# Allegro board AB9.brd (continued)
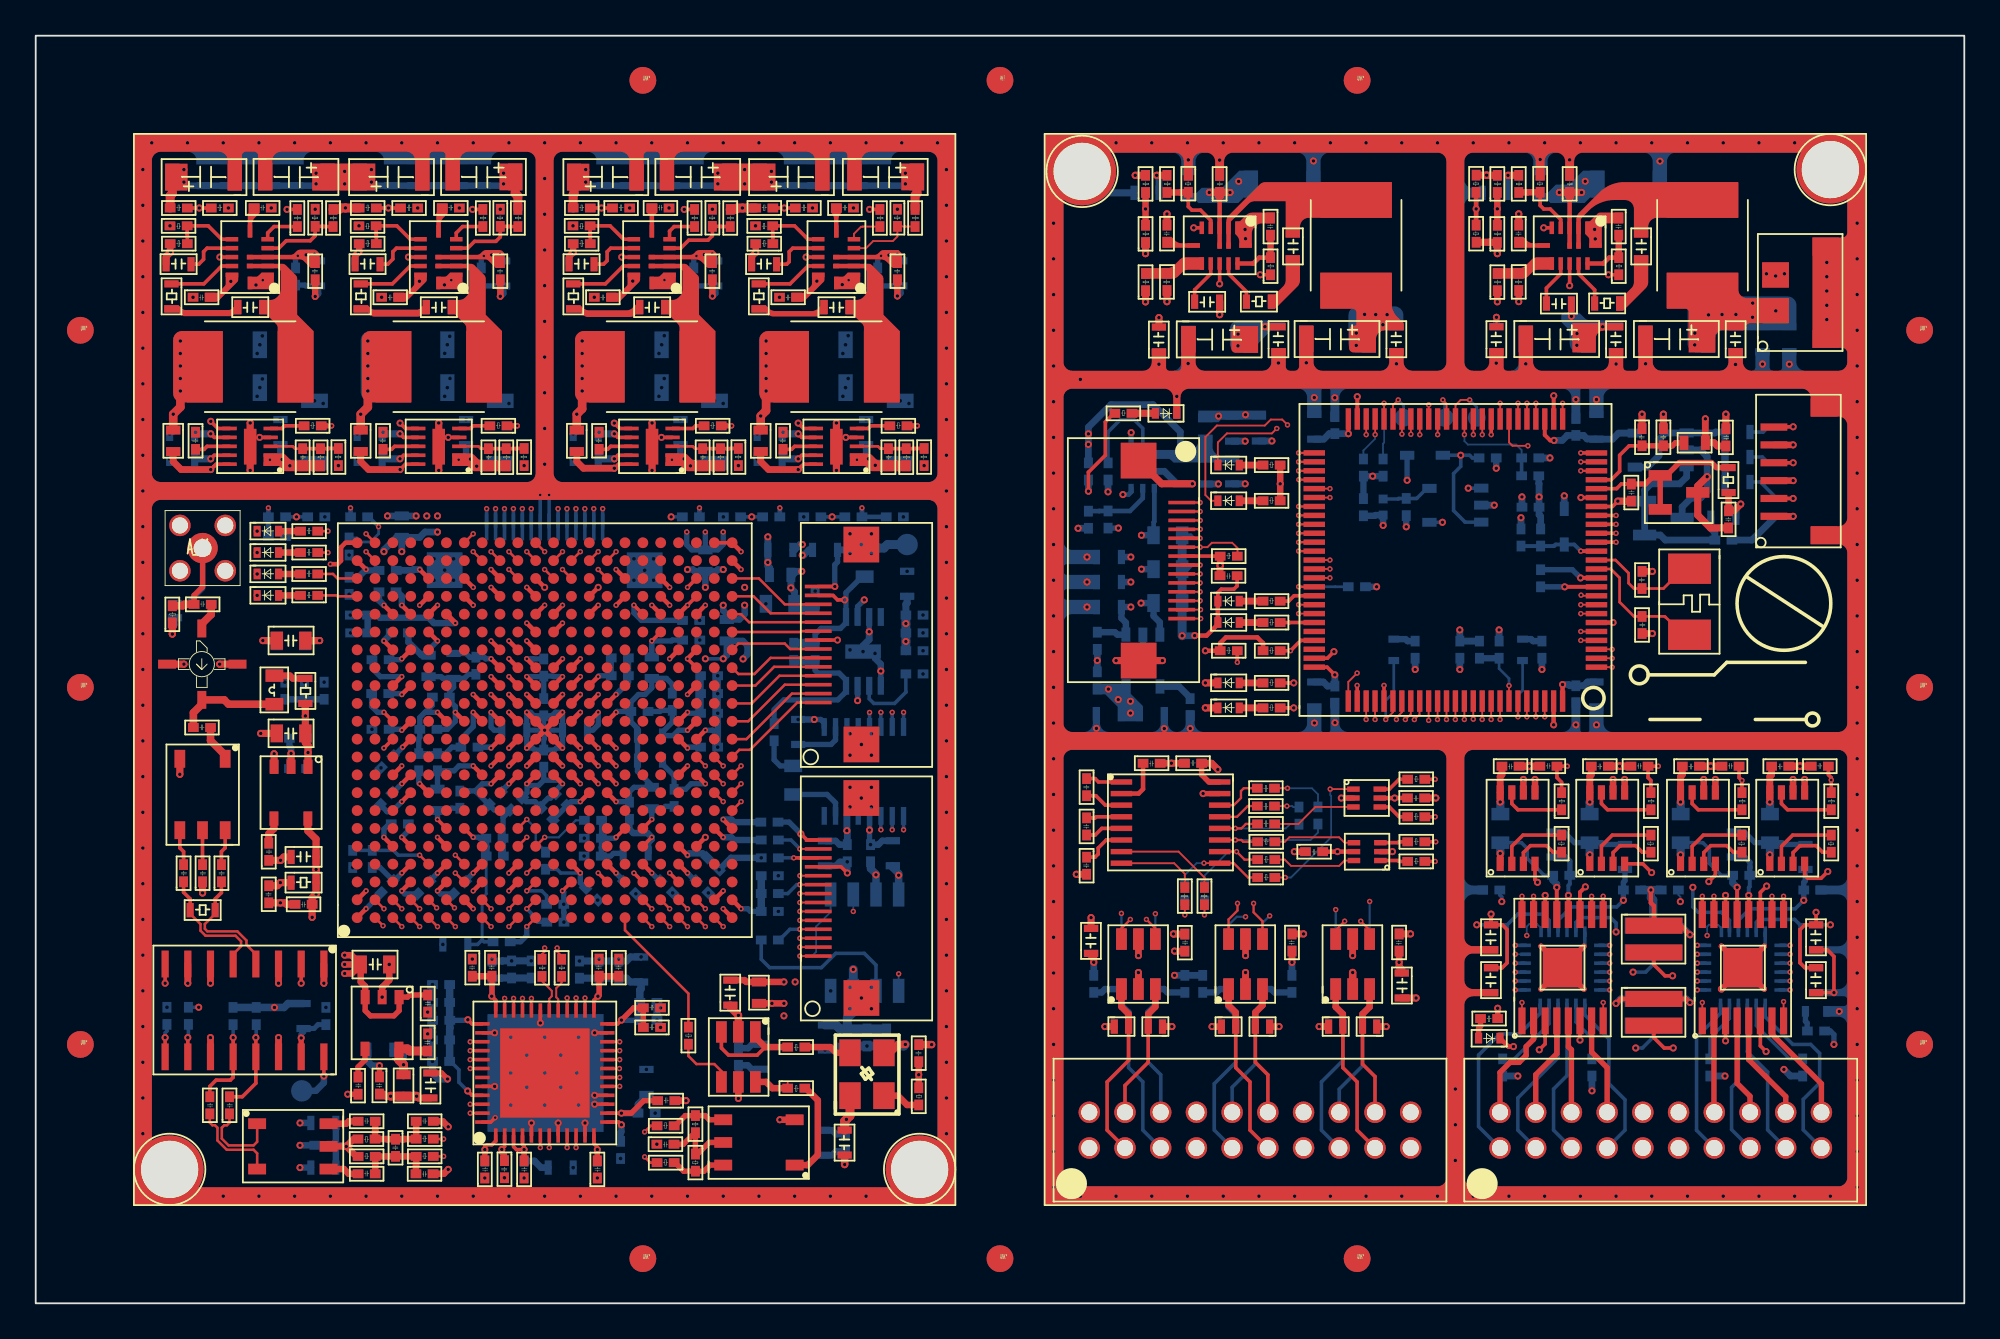
[diagram p0: board, top side]
## Routing (per net, layer and track width the routed paths; a pad name or vN(x,y) marks a point on that pad's centre or on a via; arc(x,y) is an arc through that point) (continued)
  BOTTOM w0.3: A_C248.2 v2(25.15,8.61) ; A_C247.2 v2(27.35,8.61) ; A_C246.2 v2(31.45,8.61)
  BOTTOM w0.36: A_C243.2 32.75,9.55 32.8,9.6 v2(32.8,10) ; A_C238.2 v2(32.8,10.65)
  BOTTOM w0.38: A_C247.2 27.93,7.97 28.3,7.6 A_C244.2 ; A_C238.2 33.73,11.15 34.2,11.62 A_C237.2
A_AIN+: length 8.3
  TOP w0.14: A_R62.1 22.7,9.2 v1(22.84,9.2) ; v1(28.26,8.72) A_U14.6
  SIGNAL-L3 w0.14: v1(28.26,8.72) 28.26,8.52 28.4,8.38 28.4,8 28.2,7.8 24.6,7.8 23.56,8.84 23.2,8.84 v1(22.84,9.2)
A_AIN-: length 8.7
  TOP w0.14: v1(28.76,8.72) A_U14.7 ; A_R64.1 22.7,8.23 22.7,8.23 v1(22.84,8.23)
  SIGNAL-L3 w0.14: v1(22.84,8.23) 23.2,8.59 23.46,8.59 24.5,7.55 28.3,7.55 28.65,7.9 28.65,8.38 28.76,8.49 v1(28.76,8.72)
A_ASDO: length 30.3
  TOP w0.1: 43.82,19.45 v1(42.79,19.45)
  TOP w0.14: v1(21.5,21.1) A_U9.D1
  SIGNAL-L7 w0.14: v1(21.5,21.1) 21.5,19.9 23.5,17.9 31.1,17.9 31.5,18.3 41,18.3 42.15,19.45 v1(42.79,19.45)
  BOTTOM w0.1: v1(42.79,19.45) 43.47,19.45 43.7,19.68 43.7,21.1 44.52,21.91 A_U17.5
A_AUDIO_5V: length 35.9
  PWR-L6 w0.3: 42.96,39.4 45.42,36.94 45.42,34.36 ; 42.96,39.4 v2(42.29,40.07) 42.29,40.39 v2(42.9,41) ; 42.96,39.4 v2(46.4,39.4) 47.4,39.4 v2(48.73,38.07) v2(48.73,37.07) ; v2(45.42,26.47) 45.42,34.36 ; 45.42,34.36 v2(46.03,33.76)
  BOTTOM w0.3: v2(46.4,39.4) 46.03,39.03 A_U15.6 ; A_U15.3 v2(46.03,33.76)
  BOTTOM w0.36: A_C196.1 45.01,25.69 44.8,25.9 A_C197.2
  BOTTOM w0.38: A_C196.1 45.45,26.45 v2(45.42,26.47) A_U16.6 ; v2(42.9,41) 42.6,41 42.4,40.8 A_L14.2 v2(42.29,40.07) 42.29,40.06 42.49,39.86 A_C137.2
  BOTTOM w0.4: A_C133.1 48.8,39.22 48.73,39.15 A_C138.2
  BOTTOM w0.5: A_C136.2 42.74,38.93 A_C137.2 ; A_C138.2 v2(48.73,38.07) A_C141.2 v2(48.73,37.07) A_C146.2
A_AUDIO_OUT: length 7.1
  TOP w0.2: A_J2.14 v2(44.75,40.15)
  BOTTOM w0.3: v2(44.75,40.15) 44.75,41.37 44.9,41.52 A_R76.2
  BOTTOM w0.38: A_R76.2 45.59,42.2 45.69,42.3 A_C131.2
  BOTTOM w0.5: A_C131.2 47.5,42.3 47.7,42.5 A_TP3.1
A_CLK2FPGA: length 7.6
  TOP w0.14: A_R55.2 36.55,17.35 33,20.9 A_U9.T1
A_CLK_3V3: length 29.7
  TOP w0.36: A_L10.2 v2(41.23,16.8) v2(41.9,16.8) ; A_R58.2 v2(49.45,12.8) A_C58.2 ; A_U13.5 v2(39.35,11.47)
  TOP w0.5: A_C67.2 45.3,10.2 v2(45.4,10.3) 45.6,10.5 A_Y1.4
  PWR-L6 w0.36: v2(49.45,12.8) 46.7,12.8 45.37,11.47 44.23,11.47 ; 41.4,11.47 41.9,11.97 v2(41.9,16.1) v2(41.9,16.8) v2(41.23,16.8) ; 41.4,11.47 v2(39.35,11.47) ; 41.4,11.47 44.23,11.47 ; 44.23,11.47 v2(45.4,10.3)
  BOTTOM w0.36: v2(39.35,11.47) A_C235.2 39.88,13.33 40.1,13.11 A_C234.2 ; A_C241.2 44.6,9.69 44.82,9.47 A_C240.2 45.35,10.25 v2(45.4,10.3)
A_CLKO+: length 2.2
  TOP w0.109: A_R53.1 28.35,18.05 28.9,17.5 28.9,17.2 28.76,17.06 A_U14.30
A_CLKO-: length 2.1
  TOP w0.109: A_U14.29 29.26,17.03 29.15,17.14 29.15,17.65 29.45,17.95 A_R54.1
A_CONF_DONE: length 28.1
  TOP w0.1: 43.82,25.45 v1(42.79,25.45)
  TOP w0.25: v1(29.5,39.1) A_U9.M18
  SIGNAL-L4 w0.14: v1(42.79,25.45) 41.75,25.45 40.4,26.8 40.4,37.1 39.2,38.3 30.3,38.3 v1(29.5,39.1)
  BOTTOM w0.2: A_R80.1 42.29,25.95 v1(42.79,25.45)
A_DATA0: length 21.5
  TOP w0.1: 43.82,20.95 v1(42.79,20.95)
  TOP w0.14: A_U9.K1 v1(26.5,21.1)
  SIGNAL-L4 w0.14: v1(26.5,21.1) 26.5,20.3 27.6,19.2 39.9,19.2 41.65,20.95 v1(42.79,20.95)
  BOTTOM w0.2: A_R86.1 41.64,20.35 42.24,20.95 v1(42.79,20.95)
A_DCLK: length 27.6
  TOP w0.1: 43.82,20.45 v1(42.79,20.45)
  TOP w0.14: A_U9.K2 v1(26.5,22.1)
  SIGNAL-L7 w0.14: v1(45.78,21.95) 45.78,21.09 45.15,20.45 v1(42.79,20.45) 41.85,20.45 40.6,19.2 31.5,19.2 30.9,18.6 26.8,18.6 26,19.4 26,21.6 v1(26.5,22.1)
  BOTTOM w0.1: 45.78,22.9 v1(45.78,21.95)
A_ENC+: length 7.7
  TOP w0.14: v1(34.1,8.2) 34.42,7.88 A_R65.2 ; A_U14.9 v1(29.76,8.72)
  SIGNAL-L7 w0.14: v1(34.1,8.2) 33.45,8.85 33.1,8.85 31.7,7.45 30.17,7.45 29.89,7.74 29.89,8.29 29.76,8.42 v1(29.76,8.72)
A_ENC-: length 7.3
  TOP w0.14: v1(34.1,9.6) 34.44,9.94 A_R60.2 ; A_U14.10 v1(30.26,8.72)
  SIGNAL-L7 w0.14: v1(34.1,9.6) 33.6,9.1 33,9.1 31.6,7.7 30.27,7.7 30.13,7.84 30.13,8.29 30.26,8.42 v1(30.26,8.72)
A_FPGA_RST_ARM: length 5.5
  TOP w0.14: A_J2.4 41.65,35.15 40.1,33.6 A_U9.AB13
A_FPGA_RST_MCU: length 5.3
  TOP w0.14: A_U9.AB14 40.3,34.6 41.35,35.65 A_J2.5
A_FPGA_SPI_CS: length 5.4
  TOP w0.14: A_J2.12 41.95,39.15 40.5,40.6 A_U9.AB20
A_FPGA_SPI_MISO: length 5
  TOP w0.14: A_U9.AB18 39.5,38.6 39.95,38.15 A_J2.10
A_FPGA_SPI_MOSI: length 4.8
  TOP w0.14: A_J2.9 42.87,37.65 42.83,37.6 A_U9.AB17
A_FPGA_SPI_SCLK: length 5.2
  TOP w0.14: A_J2.11 41.15,38.65 40.2,39.6 A_U9.AB19
A_FPGA_UART2_RXD: length 5.3
  TOP w0.14: A_J2.6 41.15,36.15 40.25,35.25 39.35,35.25 A_U9.AB15
A_FPGA_UART2_TXD: length 5.1
  TOP w0.14: A_U9.AB16 39.35,36.95 41.95,36.95 42.25,36.65 A_J2.7
A_FPGA_UART_RXD: length 5.9
  TOP w0.14: A_J2.2 42.35,34.15 39.8,31.6 A_U9.AB11
A_FPGA_UART_TXD: length 6.1
  TOP w0.14: A_J2.1 42.65,33.65 40,31 39.4,31 A_U9.AB10
A_GND: length 234.9
  TOP w0.2: A_U9.C11 v1(19.5,31.1) ; A_U9.U5 v1(34.5,26.1) ; 43.82,24.45 45.1,24.45 v2(45.45,24.1) ; A_U9.Y15 v1(36.5,36.1) ; A_U9.R3 v1(31.5,24.1) ; A_U14.44 v2(25.7,12.15) ; A_U8.4 v2(45.37,48.5) ; A_U7.4 v2(35.04,48.5) ; A_U9.Y20 v1(36.5,40.1) ; A_U9.N3 v1(29.5,23.1) ; A_U14.31 v2(28.26,15.7) ; A_U14.5 v2(27.76,10.1) ; A_U9.AA22 A_U9.AB22 ; A_U6.4 v2(23.1,48.5) ; v1(25.73,10.4) 25.48,10.15 A_U14.48 ; A_U14.38 v2(25.7,15.15) ; A_U5.4 v2(12.54,48.5) ; A_U14.23 v2(31.3,15.15) ; A_J2.13 44.65,39.65 44.9,39.4 v3(45.3,39.4) ; A_U9.C12 v1(19.5,33.1) ; A_U9.W3 v1(35.5,24.1) ; A_J2.8 v3(44.9,37.15) ; A_U14.8 v2(29.26,10.1) ; A_U14.15 v2(31.3,11.15) ; A_U14.11 v2(30.76,10.1) ; A_U14.16 v2(31.3,11.65) ; A_U9.U3 v1(33.5,24.1)
  TOP w0.25: A_U9.Y12 v1(36.5,32.1) ; A_U9.V18 v1(34.5,39.1) ; v1(24.5,34.1) A_U9.H13 ; A_U9.P8 v1(30.5,28.1) ; v1(30.5,36.1) A_U9.N15 ; v1(19.5,26.1) A_U9.C5 ; A_U9.J15 v1(25.5,36.1) ; v1(26.5,23.1) A_U9.K3 ; v1(24.5,22.1) A_U9.G2 ; A_U9.F3 v1(22.5,23.1) ; A_U9.L15 v1(27.5,36.1) ; v1(20.5,35.1) A_U9.C14 ; v1(20.5,23.1) A_U9.D3 ; v1(38.5,27.1) A_U9.AB6 ; v1(32.5,34.1) A_U9.R13 ; A_U9.H3 v1(24.5,23.1) ; v1(22.5,33.1) A_U9.F12 ; v1(26.5,37.1) A_U9.K16 ; A_U9.C16 v1(19.5,37.1) ; v3(31.5,40.1) A_U9.P19 ; A_U9.Y9 v1(37.5,29.1) ; v3(28.5,40.1) A_U9.L20 ; A_U9.AA2 v1(38.5,23.1) ; A_U9.H12 v1(24.5,33.1) ; A_U9.AB22 v1(39.5,42.1) ; v1(24.5,40.1) A_U9.G20 ; v1(20.5,28.1) A_U9.D8 ; A_U9.A22 17.35,42.6 17.1,42.35 17.1,41.6 16.9,41.4 v1(16.5,41.4) ; A_U9.E20 v1(21.5,41.1) ; v3(37.5,26.1) A_U9.Y5 ; v1(22.5,26.1) A_U9.F5 ; v1(22.5,39.1) A_U9.E18 ; v1(32.5,31.1) A_U9.R11 ; v1(19.5,39.1) A_U9.C18 ; A_U9.T20 v1(32.5,41.1) ; v1(32.5,29.1) A_U9.R9 ; v1(20.5,30.1) A_U9.C9 ; v1(37.5,39.1) A_U9.Y18 ; A_U9.V20 v1(35.5,40.1) ; A_U9.AB1 v1(38.5,22.1) ; v1(37.5,32.1) A_U9.Y11 ; A_U9.J19 v1(25.5,40.1) ; v1(25.5,29.1) A_U9.J9 ; v1(18.5,22.1) A_U9.A1 ; v1(36.5,36.1) A_U9.Y16
  TOP w0.3: A_U9.K10 v1(26.5,30.1) ; A_U9.N13 v1(30.5,34.1) ; v1(30.5,33.1) A_U9.N12 ; v1(30.5,30.1) A_U9.N10 ; A_C61.1 22.73,12.9 v2(23.06,12.56) ; A_U9.N11 v1(30.5,31.1) ; v2(28.5,32.1) A_U9.M11 v1(29.5,31.1) ; v2(28.5,32.1) A_U9.L11 v1(27.5,31.1) ; v2(28.5,32.1) A_U9.L12 v1(27.5,33.1) ; v2(28.5,32.1) A_U9.M12 v1(29.5,33.1) ; v1(29.5,34.1) A_U9.M13 ; v1(27.5,30.1) A_U9.L10 ; v1(26.5,34.1) A_U9.K13 ; A_U9.M10 v1(29.5,30.1) ; A_U9.K12 v1(26.5,33.1) ; A_C59.1 v2(17.47,11.71) ; v1(26.5,31.1) A_U9.K11 ; A_C60.1 v2(19.25,13.31) ; v1(27.5,34.1) A_U9.L13
  TOP w0.36: v2(37.89,56.42) A_C19.2 ; v2(23.1,9.88) 22.79,10.19 A_C66.1 ; v3(19.8,18.98) 19.8,18.1 19.4,17.7 v3(19.4,17.15) ; v2(48.26,56.42) A_C20.2 ; A_T2.2 v2(41.67,10.28) ; v2(26.02,56.41) A_C18.2 ; v2(15.65,56.4) A_C17.2 ; A_C75.2 22.85,7.25 v2(23.1,7.5)
  TOP w0.38: A_U11.14 v2(13.6,14.88) ; 8.52,19.01 v2(8.52,17.93) ; A_C62.1 v2(36.42,11.35) ; A_U11.3 v2(13.6,17.93) ; A_U11.11 v2(9.79,14.88) ; A_U11.6 v2(9.79,17.93) ; A_U11.1 v2(16.14,17.93)
  TOP w0.4: v2(22.57,49.31) A_U6.11 v2(22.57,46.65) ; A_C44.1 v2(9.34,22.98) ; v2(12.01,49.31) A_U5.11 v2(12.01,46.65) ; A_C46.2 v2(13.7,22.43) 13.97,22.43 14.05,22.35 A_C47.1 ; A_U10.2 v2(14.3,30.8) ; A_T1.2 v2(8.07,29.63) ; A_R49.1 v2(7.65,37.48) ; v2(34.52,49.31) A_U7.11 v2(34.52,46.65) ; v2(44.84,49.31) A_U8.11 v2(44.84,46.65) ; A_C41.1 v2(13.71,24.81) 13.9,25 A_C42.1 ; A_A1.2 v2(8.3,35.8) ; A_A1.4 v2(10.3,35.8) ; A_C40.1 v2(12.6,31.92) ; A_C38.1 v2(12.72,37.12)
  TOP w0.42: A_Y1.2 47.83,14.03 48.3,14.5 v2(48.7,14.5) ; A_U13.2 v2(39.35,16.13) 38.9,16.58 A_C53.1 ; A_C58.1 v2(50.17,14.49) ; A_C67.1 v2(45.3,7.77)
  BOTTOM w0.2: A_J4.8 v1(28.25,45.28) ; A_J4.7 v1(28.75,45.28)
  BOTTOM w0.28: A_C163.1 28.45,32.15 v2(28.5,32.1) ; A_C168.1 v2(28.5,32.1) ; v2(28.5,32.1) A_C169.1 ; v2(28.5,32.1) 28.5,31.63 28.45,31.58 A_C175.1
  BOTTOM w0.3: A_C97.1 15.13,56.99 15.09,57.03 A_C103.2 ; A_C176.1 35.1,30.2 35.75,29.55 A_C182.1 36.39,28.79 36.7,29.1 v1(37.5,29.1) ; 26.18,56.98 25,56.98 A_C102.2 ; A_C96.1 47.19,56.99 A_C100.2 ; v1(18.5,22.1) 18.96,22.56 18.96,22.62 A_C207.2 ; A_U15.7 v2(46.68,37.61) ; A_C184.1 19.68,27.54 19.94,27.54 v1(20.5,28.1) ; A_C191.1 19.79,26.85 19.5,26.56 v1(19.5,26.1) ; A_C160.1 18.81,33.44 19.15,33.1 v1(19.5,33.1) ; v1(24.5,33.1) 24.5,32.3 23.81,31.61 A_C174.1 23.31,31.15 22.95,30.79 A_C178.1 A_C179.1 21.45,31.64 21.51,31.7 A_C166.1 21.51,32.81 21.8,33.1 21.81,33.1 ; 38.2,31.8 37.9,32.1 v1(37.5,32.1) ; A_C189.1 A_C185.1 29.99,28.1 v1(30.5,28.1) ; v2(7.65,37.48) 7.65,37.86 7.8,38.01 A_D5.1 ; v1(22.5,33.1) 21.81,33.1 ; 21.81,33.1 22.21,33.5 A_C161.1 ; v1(36.5,32.1) 36,32.1 35.7,31.8 A_C171.1 35.1,32 35.65,32.55 A_C162.1 35.01,33.21 34.95,33.15 A_C164.1 ; v1(25.5,29.1) 25.01,29.1 24.61,28.7 ; 24.61,28.7 24.29,28.7 24.28,28.69 A_C186.1 ; 24.61,28.7 A_C183.1 25.68,27.63 A_C187.1 26.17,27.22 A_C193.2 26.19,26.03 A_C200.1 ; v1(27.5,36.1) 27.85,36.1 27.86,36.09 A_C152.1 ; v4(46.75,25.69) 46.7,25.74 v2(46.7,26.51) A_U16.4 ; v1(25.5,36.1) 25.2,36.1 25.11,36.19 A_C150.1 24.31,36.19 24.1,36.4 A_C151.1 ; v1(22.5,23.1) 22.67,22.93 A_C209.1 ; A_C149.2 18.83,35.57 19.3,35.1 v1(20.5,35.1) ; v2(45.3,7.77) 45.35,7.82 A_C240.1 ; v1(20.5,23.1) 20.67,22.93 A_C210.1 ; v4(29.58,21.35) 29.58,21.89 29.57,21.9 v4(29.57,22.35) 29.57,23.03 v1(29.5,23.1) ; A_U15.1 v2(47.33,35.41) ; A_C98.1 36.9,56.98 A_C101.2 ; v2(43.6,32.7) 43.96,32.7 44.16,32.51 A_U16.9 ; 28.91,32.91 29.1,33.1 v1(29.5,33.1) A_C168.1 v1(29.5,31.1) 29.16,31.1 29.05,30.99 A_C175.1 27.95,30.99 27.84,31.1 v1(27.5,31.1) A_C169.1 v1(27.5,33.1) 27.71,33.1 27.9,32.91 A_C163.1 28.91,32.91
  BOTTOM w0.32: v1(32.5,34.1) 33.19,34.79 A_C155.1 A_C148.1
  BOTTOM w0.36: A_C188.1 33.25,26.55 33.46,26.34 34.26,26.34 v1(34.5,26.1) 34.5,26 34.3,25.8 A_C198.1 ; v4(40.63,24.95) 38.94,24.95 v4(38.27,24.28) ; v4(47,36.4) 47,36.13 47.33,35.8 v2(47.33,35.41) ; A_C172.1 14.21,31.19 14.3,31.1 v2(14.3,30.8) 14.3,30.5 14.21,30.41 A_C180.1 ; v2(39.35,16.13) A_C235.1 39.9,14.29 40.12,14.51 A_C234.1 ; v4(46.75,25.69) 47.19,25.69 47.41,25.91 A_C194.1 ; A_C240.1 44.81,8.51 44.59,8.29 A_C241.1 ; A_C197.1 44.8,24.5 45.03,24.73 v4(45.45,24.73) v2(45.45,24.1) ; A_C142.1 19.91,37.51 v1(19.5,37.1) ; v4(38.19,35.15) v4(38.19,34.15) v4(38.19,33.05) 38.19,32.49 38.2,32.48 38.2,31.8 38.19,31.79 v4(38.19,31.15) ; v1(38.5,27.1) 38.96,27.1 39.11,26.95 A_C190.1 ; A_C239.2 v2(14.8,10.1) ; v2(12.72,37.12) 13.08,37.12 13.12,37.08 A_C145.1 ; A_C245.2 v2(14.8,7.6) ; v1(19.5,39.1) 19.22,39.38 A_C135.1 ; v4(42.7,32.7) v2(43.6,32.7) ; v4(44.2,14.19) 44.72,14.19 44.94,14.41 v4(45.45,14.41) ; A_C242.2 v2(14.8,8.85)
  BOTTOM w0.38: A_C98.1 38.05,56.57 v2(37.89,56.42) ; v2(15.65,56.4) 15.81,56.55 A_C97.1 ; A_C96.1 48.42,56.58 v2(48.26,56.42) ; v2(42.93,42.5) 42.8,42.5 42.5,42.2 A_C130.1 ; v4(46.33,36.51) 46.33,36.83 46.68,37.18 v2(46.68,37.61) ; A_R76.1 43.3,42.2 43,41.9 v2(42.93,41.9) ; v2(26.02,56.41) 26.18,56.56 26.18,56.98 ; v2(19.25,13.31) 18.83,13.31 18.6,13.54 A_C233.1 ; A_C132.1 21.1,41.05 21.15,41.1 v1(21.5,41.1)
  BOTTOM w0.4: v4(34.79,15.85) v4(34.79,16.85) ; v4(25.55,19.17) 26.12,19.17 26.13,19.18 v4(26.65,19.18) v4(27.75,19.18) ; v4(33.9,19.4) 33.31,19.4 33.08,19.17 v4(32.65,19.17) v4(31.55,19.17) v4(30.45,19.17) ; v4(22.22,17.85) v4(22.22,16.85) 22.22,16.29 22.23,16.28 v4(22.23,15.85) 22.23,15.19 22.22,15.18 v4(22.22,14.75) v4(22.22,13.55) 22.22,12.9 22.56,12.56 v2(23.06,12.56)
  BOTTOM w0.5: v2(48.7,14.5) 48.61,14.41 v4(47.65,14.41) v4(46.55,14.41) v4(45.45,14.41)
  vias: v1(12.71,57.31) v1(23.27,57.31) v1(35.21,57.31) v1(45.52,57.31) v2(6,63.5) v2(6,61.5) v2(6,59.5) v2(6,57.5) v2(6,55.5) v2(6,53.5) v2(6,51.5) v2(6,49.5) v2(6,47.5) v2(6,45.5) v2(6,43.5) v2(6,41.5) v2(6,39.5) v2(6,37.5) v2(6,35.5) v2(6,33.5) v2(6,31.5) v2(6,29.5) v2(6,27.5) v2(6,25.5) v2(6,23.5) v2(6,21.5) v2(6,19.5) v2(6,17.5) v2(6,15.5) v2(6,13.5) v2(6,11.5) v2(6,9.5) v2(6.5,65) v2(8.5,65) v2(10.5,65) v2(10.5,6) v2(12.34,57.04) v2(12.5,65) v2(12.5,6) v2(14.5,65) v2(14.5,6) v2(16.5,65) v2(16.5,6) v2(18.5,65) v2(18.5,6) v2(20.5,65) v2(20.5,6) v2(22.5,65) v2(22.5,6) v2(22.89,57.04) v2(24.5,65) v2(24.5,6) v2(26.5,65) v2(26.5,6) v2(28.5,65) v2(28.5,63) v2(28.5,61) v2(28.5,59) v2(28.5,57) v2(28.5,55) v2(28.5,53) v2(28.5,51) v2(28.5,49) v2(28.5,47) v2(28.5,6) v2(30.5,65) v2(30.5,6) v2(32.5,65) v2(32.5,6) v2(34.5,65) v2(34.5,6) v2(36.5,65) v2(36.5,6) v2(38.5,65) v2(38.5,6) v2(40.5,65) v2(40.5,6) v2(42.5,65) v2(42.5,6) v2(44.5,65) v2(44.5,6) v2(45.17,57.06) v2(46.5,65) v2(46.5,6) v2(48.5,65) v2(50.5,65) v2(51,63.5) v2(51,61.5) v2(51,59.5) v2(51,57.5) v2(51,55.5) v2(51,53.5) v2(51,51.5) v2(51,49.5) v2(51,47.5) v2(51,45.5) v2(51,43.5) v2(51,41.5) v2(51,39.5) v2(51,37.5) v2(51,35.5) v2(51,33.5) v2(51,31.5) v2(51,29.5) v2(51,27.5) v2(51,25.5) v2(51,23.5) v2(51,21.5) v2(51,19.5) v2(51,17.5) v2(51,15.5) v2(51,13.5) v2(51,11.5) v2(51,9.5) v3(7.52,60.35) v3(8.81,56.35) v3(8.95,48.79) v3(10.79,61.35) v3(12.4,43.25) v3(12.4,42.05) v3(12.4,40.85) v3(12.4,39.65) v3(13.19,61.35) v3(15.65,61.28) v3(16.95,46.92) v3(18.1,60.35) v3(19.37,56.35) v3(19.45,48.79) v3(21.39,61.35) v3(21.95,16.31) v3(21.95,15.09) v3(23.73,61.35) v3(24.45,19.28) v3(25.15,7.02) v3(25.55,19.28) v3(26.02,61.28) v3(26.25,7.03) v3(26.6,14.9) v3(26.6,12.9) v3(26.6,11.1) v3(27.35,46.92) v3(27.35,7.02) v3(27.5,13.9) v3(27.5,12.1) v3(28.5,14.9) v3(28.51,12.9) v3(28.5,11.1) v3(29.4,13.9) v3(29.4,12.1) v3(30.09,60.35) v3(30.3,12.9) v3(30.4,14.9) v3(30.4,11.1) v3(31.28,56.35) v3(31.45,7.02) v3(31.55,48.79) v3(31.55,19.28) v3(32.65,19.28) v3(33.26,61.35) v3(34.78,8.91) v3(34.99,16.55) v3(34.99,15.45) v3(35.47,61.35) v3(37.89,61.28) v3(39.35,46.92) v3(40.31,60.35) v3(41.65,56.35) v3(41.85,48.79) v3(43.5,61.35) v3(45.6,43.1) v3(45.6,42) v3(45.6,31.9) v3(45.6,30.7) v3(45.6,28.9) v3(45.6,27.8) v3(45.6,17.7) v3(45.6,16.5) v3(45.79,61.35) v3(46.23,42.5) v3(46.24,31.3) v3(46.23,28.3) v3(46.24,17.1) v3(46.8,43.1) v3(46.8,42) v3(46.8,31.9) v3(46.8,30.7) v3(46.8,28.9) v3(46.8,27.8) v3(46.8,17.7) v3(46.8,16.5) v3(48.26,61.28) v3(49.75,46.92) v4(7.35,16.58) v4(7.5,48.7) v4(7.5,47.3) v4(12.4,53.2) v4(12.4,50.8) v4(12.55,53.69) v4(12.55,51.29) v4(12.69,54.18) v4(12.7,51.77) v4(13.7,49.5) v4(13.95,34.79) v4(13.99,42.95) v4(15.1,50.7) v4(15.05,34.79) v4(15.61,50.55) v4(16.1,50.4) v4(16.19,44.05) v4(16.15,34.79) v4(16.25,16.57) v4(17.55,41.91) v4(17.55,39.71) v4(17.62,38.55) v4(17.63,37.55) v4(17.75,24.41) v4(18,48.7) v4(18.83,32.15) v4(19.34,29.99) v4(22.3,41.7) v4(22.3,40.5) v4(22.8,20.1) v4(22.9,53.21) v4(22.9,50.8) v4(22.9,41.07) v4(23.05,53.69) v4(23.05,51.29) v4(23.18,54.16) v4(23.2,51.8) v4(23.4,41.7) v4(23.4,40.5) v4(24.1,49.5) v4(25.15,7.01) v4(25.5,50.7) v4(26.02,50.55) v4(26.5,50.4) v4(27.35,7.01) v4(30.1,48.7) v4(30.1,47.3) v4(30.1,7.6) v4(30.72,26.05) v4(30.71,25.05) v4(31.45,7.01) v4(31.47,22.58) v4(32.75,8.11) v4(33.5,41.7) v4(33.5,40.5) v4(33.61,22.94) v4(34.1,41.06) v4(34.2,13.1) v4(34.6,41.7) v4(34.6,40.5) v4(34.69,10.65) v4(34.9,53.2) v4(34.9,50.8) v4(35.05,53.69) v4(35.05,51.29) v4(35.2,54.2) v4(35.2,51.8) v4(35.67,22.98) v4(36.1,49.5) v4(37.18,38.25) v4(37.19,37.15) v4(37.5,50.7) v4(37.67,22.98) v4(38.01,50.55) v4(38.5,50.4) v4(38.51,44.05) v4(40.4,48.7) v4(40.4,47.3) v4(40.89,39.18) v4(41.59,23.95) v4(41.59,21.95) v4(43.01,44.05) v4(43.65,39.89) v4(44.52,17.5) v4(45.2,53.2) v4(45.2,50.8) v4(45.35,53.69) v4(45.35,51.29) v4(45.5,54.2) v4(45.5,51.8) v4(45.6,36.6) v4(46.5,49.5) v4(47.9,50.7) v4(48.41,50.55) v4(48.59,44.05) v4(48.8,41) v4(48.9,50.4) v4(49.69,38.55) v4(49.69,37.55) v4(49.69,36.55) v4(49.69,35.25) v5(18,47.3)
A_I2S_BCK: length 13.5
  TOP w0.14: A_U9.AA9 v1(38.5,29.1)
  SIGNAL-L8 w0.14: v1(48.6,26.52) 48.6,28 48,28.6 39,28.6 v1(38.5,29.1)
  BOTTOM w0.2: A_U16.1 v1(48.6,26.52)
A_I2S_DATA: length 11.3
  TOP w0.14: A_U9.AB7 v1(39.5,28.1)
  SIGNAL-L8 w0.14: v1(39.5,28.1) 47.5,28.1 47.97,27.63 v1(47.97,26.52)
  BOTTOM w0.2: A_U16.2 v1(47.97,26.52)
A_I2S_LRCK: length 11.3
  TOP w0.14: A_U9.AA8 v1(38.5,28.1)
  SIGNAL-L8 w0.14: v1(38.5,28.1) 39,27.6 46.9,27.6 47.33,27.17 v1(47.33,26.52)
  BOTTOM w0.2: A_U16.3 v1(47.33,26.52)
A_I2S_SCK: length 13.9
  TOP w0.14: A_U9.AB8 v1(39.5,29.1)
  SIGNAL-L8 w0.14: v1(48.6,33.1) 48.6,30.4 47.3,29.1 v1(39.5,29.1)
  BOTTOM w0.2: A_U16.16 v1(48.6,33.1)
A_IO1: length 4.5
  TOP w0.14: A_U9.R21 v1(32.5,42.1)
  SIGNAL-L4 w0.14: v1(32.5,42.1) 32.5,42.6 31.75,43.35 v1(31.75,44.51)
  BOTTOM w0.2: A_J4.1 v1(31.75,44.51)
A_IO2: length 5.7
  TOP w0.14: A_U9.R20 v1(31.5,41.1)
  SIGNAL-L4 w0.14: v1(31.25,44.51) 31.25,43.15 32,42.4 32,41.6 v1(31.5,41.1)
  BOTTOM w0.2: A_J4.2 v1(31.25,44.51)
A_IO3: length 4.5
  TOP w0.14: A_U9.P21 v1(31.5,42.1)
  SIGNAL-L4 w0.14: v1(30.75,44.51) 30.75,42.85 v1(31.5,42.1)
  BOTTOM w0.2: A_J4.3 v1(30.75,44.51)
A_IO4: length 4.2
  TOP w0.14: A_U9.N21 v1(30.5,42.1)
  SIGNAL-L4 w0.14: v1(30.5,42.1) 30.25,42.35 v1(30.25,44.51)
  BOTTOM w0.2: A_J4.4 v1(30.25,44.51)
A_IO5: length 4.2
  TOP w0.14: A_U9.M21 v1(29.5,42.1)
  SIGNAL-L4 w0.14: v1(29.75,44.51) 29.75,42.35 v1(29.5,42.1)
  BOTTOM w0.2: A_J4.5 v1(29.75,44.51)
A_IO6: length 5.5
  TOP w0.14: A_U9.N20 v1(29.5,41.1)
  SIGNAL-L4 w0.14: v1(29.25,44.51) 29.25,43.05 29,42.8 29,41.6 v1(29.5,41.1)
  BOTTOM w0.2: A_J4.6 v1(29.25,44.51)
A_IO7: length 5.5
  TOP w0.14: A_U9.M20 v1(28.5,41.1)
  SIGNAL-L4 w0.14: v1(28.5,41.1) 28,41.6 28,42.9 27.75,43.15 v1(27.75,44.51)
  BOTTOM w0.2: A_J4.9 v1(27.75,44.51)
A_IO8: length 4.2
  TOP w0.14: A_U9.L21 v1(27.5,42.1)
  SIGNAL-L4 w0.14: v1(27.5,42.1) 27.5,42.5 27.25,42.75 v1(27.25,44.51)
  BOTTOM w0.2: A_J4.10 v1(27.25,44.51)
A_IO9: length 4.2
  TOP w0.14: A_U9.K21 v1(26.5,42.1)
  SIGNAL-L4 w0.14: v1(26.5,42.1) 26.5,42.5 26.75,42.75 v1(26.75,44.51)
  BOTTOM w0.2: A_J4.11 v1(26.75,44.51)
A_IO10: length 4.5
  TOP w0.14: A_U9.J21 v1(25.5,42.1)
  SIGNAL-L4 w0.14: v1(25.5,42.1) 26.25,42.85 v1(26.25,44.51)
  BOTTOM w0.2: A_J4.12 v1(26.25,44.51)
A_IO11: length 4.7
  TOP w0.14: A_U9.H21 v1(24.5,42.1)
  SIGNAL-L4 w0.14: v1(24.5,42.1) 25.75,43.35 v1(25.75,44.51)
  BOTTOM w0.2: A_J4.13 v1(25.75,44.51)
A_IO12: length 3.5
  TOP w0.14: v1(24.5,43.1) A_U9.G22
  SIGNAL-L4 w0.14: v1(25.25,44.51) 25.25,43.85 v1(24.5,43.1)
  BOTTOM w0.2: A_J4.14 v1(25.25,44.51)
A_LDO_3V3: length 4.5
  TOP w0.5: A_C57.2 20.94,14.13 20.82,14.25 A_U12.5 20.34,13.62 v2(20.6,13.36) A_L11.1
  BOTTOM w0.38: v2(20.6,13.36) 20.6,14 20.4,14.2 A_C233.2
A_LED1: length 3.5
  TOP w0.14: A_U9.B22 v1(18.5,43.1) ; v1(16.37,43.25) A_R45.1
  SIGNAL-L4 w0.14: v1(16.37,43.25) 16.71,43.25 16.86,43.1 v1(18.5,43.1)
A_LED2: length 3.4
  TOP w0.14: A_U9.B21 v1(18.5,42.1) ; A_R46.1 v1(16.37,42.05)
  SIGNAL-L4 w0.14: v1(18.5,42.1) 16.76,42.1 16.71,42.05 v1(16.37,42.05)
A_LED3: length 2.3
  TOP w0.14: A_U9.A20 16.9,40.6 16.65,40.85 A_R47.1
A_LED4: length 2.2
  TOP w0.14: A_R48.1 16.85,39.65 16.9,39.6 A_U9.A19
A_MSEL0: length 21.3
  TOP w0.25: v1(29.5,38.1) A_U9.M17
  SIGNAL-L3 w0.1: v2(44.6,44.05) 44.6,43.6 44.2,43.2 42.3,43.2 41.7,42.6 41.7,40.1 41.2,39.6 31,39.6 v1(29.5,38.1)
  BOTTOM w0.2: A_R67.1 v2(44.6,44.05) A_R68.2
A_MSEL1: length 16
  TOP w0.25: v1(28.5,39.1) A_U9.L18
  SIGNAL-L3 w0.1: v2(40.1,44.05) 40.1,43.4 39.3,42.6 36.5,42.6 34.5,40.6 30,40.6 v1(28.5,39.1)
  BOTTOM w0.2: A_R70.2 v2(40.1,44.05) A_R69.1
A_MSEL2: length 19.3
  TOP w0.25: v1(27.5,38.1) A_U9.L17
  SIGNAL-L8 w0.14: v2(14.6,44.05) 14.6,40.6 16.6,38.6 27,38.6 v1(27.5,38.1)
  BOTTOM w0.2: A_R74.1 v2(14.6,44.05) A_R73.2
A_MSEL3: length 12.2
  TOP w0.14: v1(26.5,41.1) A_U9.K20
  SIGNAL-L8 w0.14: v1(26.5,41.1) 26,41.6 22.4,41.6 20.5,43.5 v1(19.2,43.5)
  BOTTOM w0.15: A_R75.2 17.98,42.87 18.2,42.65 18.75,42.65 19.2,43.1 v1(19.2,43.5)
  BOTTOM w0.2: A_R72.1 18.65,44.05 v1(19.2,43.5)
A_N7424382: length 9.6
  BOTTOM w0.3: A_R78.2 41.35,33.25 41.9,33.8 44.92,33.8 45.38,34.26 A_U15.4 45.38,34.91 44.99,35.3 43.8,35.3 43.65,35.45 A_C147.1
  BOTTOM w0.5: A_C147.1 A_R77.1
A_N7424390: length 6.8
  BOTTOM w0.3: A_C147.2 43.65,37.47 43.98,37.8 45.06,37.8 45.38,38.12 A_U15.5 45.38,39.81 46.27,40.7 A_C131.1
  BOTTOM w0.5: A_R77.2 A_C147.2
A_N7424650: length 2.9
  BOTTOM w0.3: A_C170.2 44.54,31.3 44.79,31.55 A_U16.10
A_N7424654: length 3.3
  BOTTOM w0.3: A_C181.1 44.32,28.5 44.79,28.03 A_U16.7
A_N7424662: length 2.3
  BOTTOM w0.3: A_C181.2 41.69,30.1 41.35,30.44 A_R78.1
A_N7424742: length 4.2
  BOTTOM w0.2: A_C153.2 48.73,34.23 48.1,33.6 46.93,33.6 46.68,33.86 A_U15.2
A_N7454523: length 9.7
  BOTTOM w0.2: A_U17.2 47.05,18.95 46.4,19.6 44.8,19.6 44,18.8 41.1,18.8 40.63,19.27 A_R86.2
A_N7455499: length 1.2
  TOP w0.36: A_D1.2 A_R45.2
A_N7455557: length 1.2
  TOP w0.36: A_D2.2 A_R46.2
A_N7467286: length 4.6
  TOP w0.14: A_U9.E4 v1(21.5,25.1)
  BOTTOM w0.2: A_C202.2 A_R81.2 20.03,25.37 20.3,25.1 v1(21.5,25.1)
A_N7498655: length 1.7
  TOP w0.3: A_U12.4 18.44,13.62 18.05,13.23 A_C59.2
A_N7538451: length 9.6
  TOP w0.14: v1(28.5,42.1) A_U9.L22
  SIGNAL-L8 w0.14: v2(35.58,44.05) 33.13,41.6 29,41.6 v1(28.5,42.1)
  BOTTOM w0.2: A_R71.1 v2(35.58,44.05)
A_N7578107: length 8.7
  TOP w0.3: A_C37.2 8.87,39.65 9.35,40.13 A_J1.5
  TOP w0.42: A_C37.2 8.32,39.15 8.24,39.07 A_R49.2
  BOTTOM w0.3: A_J1.5 9.35,40.05 8.5,39.2 A_D5.2
A_N7578654: length 1.6
  TOP w0.42: A_A1.1 9.3,38.05 9.83,38.58 A_C37.1
A_N7578935: length 5.9
  TOP w0.42: A_L9.1 10.8,33.56 10.56,33.8 A_A1.3 9.3,33.55 8.83,33.08 A_C39.2
A_N7579108: length 1.8
  TOP w0.36: A_L9.2 14.24,35.16 14.39,35 A_R50.1
A_N7579398: length 2.1
  TOP w0.42: A_C39.1 9.79,31.52 10.61,30.7 A_T1.1
A_N7579484: length 1.9
  TOP w0.2: A_T1.4 9.34,25.05 9.34,25.05 A_C44.2
A_N7579488: length 2
  TOP w0.2: A_C43.2 8.28,25.3 8.07,25.51 A_T1.3
A_N7579492: length 2
  TOP w0.2: A_C45.2 10.4,25.3 10.61,25.51 A_T1.5
A_N7580116: length 18.1
  TOP w0.2: A_U11.8 v2(7.25,17.93) ; A_U11.2 v2(14.87,17.93)
  TOP w0.4: A_C46.1 13.53,23.39 v2(13.7,23.56) 14.29,23.56 A_R51.1
  SIGNAL-L4 w0.2: v2(13.7,23.56) 14.24,23.56 14.87,22.93 v2(14.87,17.93)
  SIGNAL-L8 w0.14: v2(14.87,17.93) 14.2,18.6 7.92,18.6 v2(7.25,17.93)
A_N7580344: length 1.9
  TOP w0.2: 7.25,13.8 v2(7.25,14.88)
  BOTTOM w0.2: v2(7.25,14.88) 7.25,15.15 7.35,15.25 A_R91.2
A_N7580738: length 1.8
  TOP w0.2: A_U11.10 v2(8.52,14.88)
  BOTTOM w0.2: A_C225.2 8.55,14.92 8.52,14.88 v2(8.52,14.88)
A_N7580852: length 3
  TOP w0.3: A_U11.15 v2(14.87,14.86)
  BOTTOM w0.28: A_R88.1 15.59,15.39 15.81,15.61 A_C224.1
  BOTTOM w0.3: A_R88.1 15,15.2 14.87,15.07 v2(14.87,14.86)
A_N7581076: length 5.1
  TOP w0.2: A_C64.2 11.57,11.57 12.33,12.33 A_U11.13 v2(12.33,14.88)
  BOTTOM w0.2: A_R89.1 12.35,14.91 v2(12.33,14.88)
A_N7581083: length 5.1
  TOP w0.2: A_C63.2 9.75,12.15 10.1,12.5 10.9,12.5 11.06,12.66 A_U11.12 v2(11.06,14.88)
  BOTTOM w0.2: A_R90.1 11.06,15.6 v2(11.06,14.88)
A_N7581273: length 1.7
  TOP w0.36: A_C65.2 17.53,10.19 17.39,10.06 A_T3.5
A_N7581277: length 1.8
  TOP w0.36: A_T3.3 17.26,7.52 17.53,7.25 A_C74.2
A_N7581373: length 4.2
  TOP w0.36: A_C75.1 21.29,7.74 21.3,7.75 A_R64.2 A_C69.2 A_R63.1 A_C74.1
A_N7581387: length 4.3
  TOP w0.36: A_C65.1 19.01,9.69 19,9.68 A_R61.2 19.66,9.2 19.67,9.19 A_C69.1 20.63,9.19 20.64,9.2 A_R62.2 A_C66.2
A_N7586253: length 2.2
  TOP w0.36: A_R58.1 49.02,11.11 49.02,11.11 48.8,11.11 48.28,11.63 A_Y1.1
A_N7586496: length 2.7
  TOP w0.36: A_Y1.3 44.82,14.03 44.5,14.35 A_R56.2
A_N7586806: length 6
  TOP w0.2: A_U13.3 38.4,14.3 38.8,13.9 40.4,13.9 40.85,14.35
  TOP w0.36: A_U13.1 40.3,14.9 40.85,14.35 A_R56.1
A_N7587007: length 3.5
  TOP w0.14: A_R55.1 36.55,13.85 37,13.4 38,13.4 38.4,13 A_U13.4
A_N7587454: length 2.3
  TOP w0.1: 42.11,12.35 A_R57.1
  TOP w0.36: A_R57.1 41.25,12.05 40.9,12.4 A_U13.6
A_N7587591: length 5.6
  TOP w0.36: A_R57.2 43.12,12.05 43.8,11.37 43.8,8.31 43.23,7.74 A_T2.1
A_N7587990: length 4.4
  TOP w0.1: A_R59.2 36.94,9.5 ; 36.94,8.41 A_R66.1
  TOP w0.3: A_C68.2 36.27,8.91 36.86,9.5 36.94,9.5 36.94,8.41 37.11,8.41 37.71,9.01 A_T2.4
A_N7588005: length 3.1
  TOP w0.3: A_T2.5 37.76,7.74 37.42,7.4 A_R66.2 36.28,7.4 35.8,7.88 A_R65.1
A_N7588017: length 3.1
  TOP w0.3: A_R60.1 35.8,9.94 36.38,10.51 A_R59.1 37.49,10.51 37.72,10.28 A_T2.3
A_N7598294: length 1.5
  TOP w0.4: A_C41.2 13.05,26.3 13.34,26.59 A_U10.4
A_N7921484: length 1.2
  TOP w0.36: A_D3.2 A_R47.2
A_N8196940: length 4.5
  TOP w0.2: A_R11.1 16.14,60.31 16.13,60.32 A_R10.2 15.65,59.79 15.37,59.52 14.03,59.52 13.61,59.1 A_U1.4
A_N8196944: length 5.5
  TOP w0.2: A_R1.1 v2(9.16,61.35) A_R2.2 ; A_U1.9 v2(10.31,58.6)
  SIGNAL-L3 w0.2: v2(9.16,61.35) 9.16,59.32 9.88,58.6 v2(10.31,58.6)
